# Altium PCB 56PCB -0.pcbdoc (part 2 of 2)
Units mm, origin at the board's own origin, x right, y up, seen from the top; angles counter-clockwise.
Board outline 101.98 x 99.56 mm, 2 copper layers (Top Layer, Bottom Layer); 154 components, 155 nets, 639 pads, 258 vias.
Unrouted connection lines stored in the file: 101.
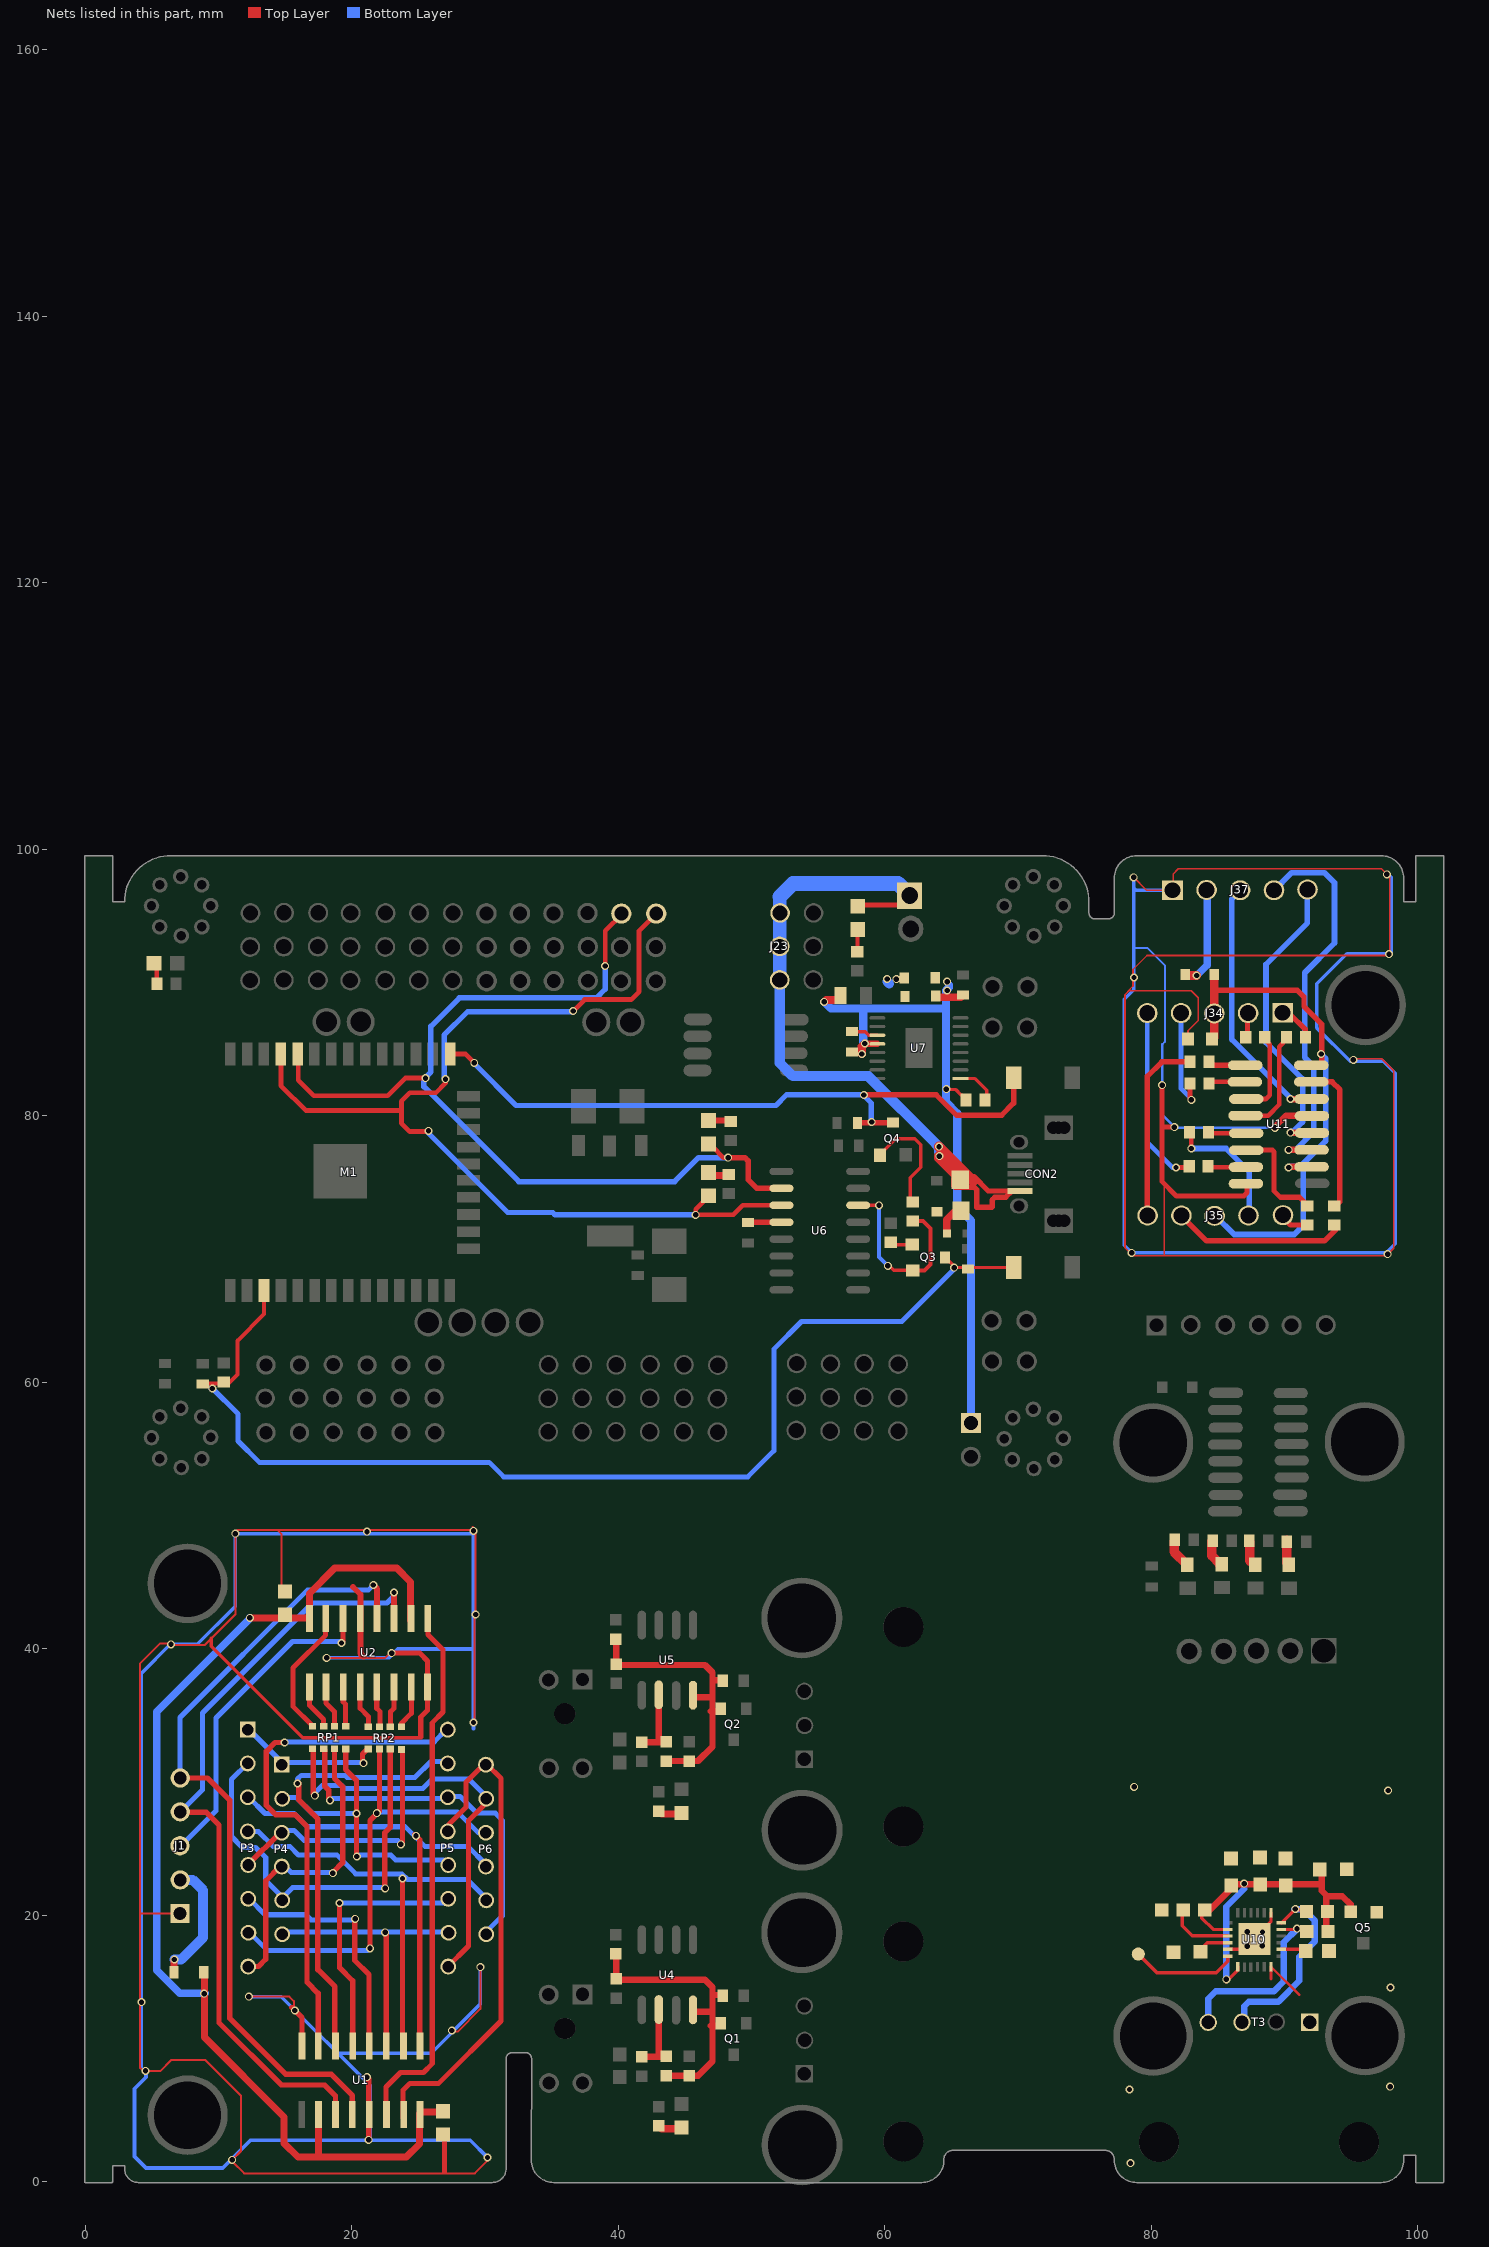
[diagram p2: the nets of this part, all layers, seen from the top]

## Via types
v1: diameter 0.6, hole 0.4, Top Layer to Bottom Layer, tented both sides, 257 vias
v2: diameter 0.8, hole 0.4, Top Layer to Bottom Layer, 1 vias

## Nets (pads, with @x,y where several pads share a name; then routed paths per layer and width w, separated by ;. In a path a pad name is that pad's centre, name@x,y a point inside that pad or via, vN(x,y) a via of type N, cw(c..) or ccw(c..) an arc to the next point about the centre after c; other vN are vias at no path point) (continued)
NewNet60: R36.9 T3.3 U10.24 | length 15.2
  Top Layer w0.252: U10.24@89.734,19.444 89.773,19.444 90.75,20.422 R36.9@91.411,20.422
  Bottom Layer w0.481: T3.3@86.803,11.977 86.96,12.133 86.96,13.179 87.296,13.516 89.531,13.516 91.106,15.09 91.106,16.891 92.249,18.034 92.249,19.609 91.411,20.447 v1@90.725,20.447
  other v1: 90.801,20.472
NewNet61: R37.9 T3.4 U10.23 | length 14
  Top Layer w0.252: U10.23@89.734,18.936 R37.9@91.424,18.936
  Bottom Layer w0.481: T3.4@84.263,11.966 84.263,13.734 84.832,14.303 89.201,14.303 89.938,15.04 89.938,17.983 90.928,18.974 v1(90.928,18.999)
NewNet62: C18.6 C20.6 C21.7 C22.7 C23.4 C24.6 Q5.1 R24.9 T3.1 U10.1 U10.11 U10.18 U10.25 | length 8.2
  Top Layer w0.176: U10.18@88.985,16.142 91.106,14.021
  Top Layer w0.252: U10.11@85.721,17.462 87.194,17.462 U10.25@88.325,17.462 ; U10.25@88.261,18.796 88.972,19.507 U10.1@88.972,20.206
  Top Layer w0.254: 88.972,15.243 U10.18@88.972,16.142
  other v1: 78.431,1.397 78.355,6.934 97.913,7.137 97.939,14.58 87.194,17.678 88.312,17.704 88.337,18.745 87.194,18.771 97.761,29.362 78.711,29.642
NewNet63: J35.5 R30.3 | length 14
  Top Layer w0.405: J35.5@79.689,72.561 79.689,82.95 80.781,84.042 R30.3@82.889,84.042
NewNet64: J35.4 R39.3 | length 13
  Top Layer w0.405: J35.4@82.305,72.409 82.33,72.409 84.134,70.605 92.973,70.605 93.837,71.469 R39.3@93.837,71.799
NewNet65: C19.2 D9.2 J34.3 J35.3 U11.10 U11.16 | length 41.5
  Top Layer w0.405: 84.718,89.401 90.966,89.401 91.449,88.919 91.449,88.208 92.795,86.861 92.795,84.017 U11.16@92.617,83.839
  Top Layer w0.481: v1@90.408,76.168 U11.10@92.02,76.168
  Top Layer w0.659: C19.2@84.718,85.845 D9.2@84.718,90.582
  Bottom Layer w0.43: J35.3@84.743,72.485 84.82,72.485 86.217,71.088 90.712,71.088 91.398,71.774 91.398,76.066 91.271,76.193 v1@90.357,76.193 ; 91.398,75.889 91.398,76.422 93.075,78.098 93.075,84.296 v1(92.744,84.626)
  other v1: 90.306,76.117
NewNet66: J35.2 R28.3 | length 9.5
  Top Layer w0.354: v1(82.991,77.54) R28.3@82.991,78.683
  Bottom Layer w0.43: v1(82.991,77.54) 85.607,77.54 87.334,75.812 J35.2@87.334,72.561
NewNet67: J35.1 R38.3 | length 2
  Top Layer w0.379: J35.1@89.9,72.333 90.433,71.799 R38.3@91.703,71.799
NewNet68: J34.5 R27.3 | length 13.6
  Top Layer w0.354: v1(81.848,76.117) R27.3@82.762,76.117
  Bottom Layer w0.354: J34.5@79.689,87.7 79.689,77.997 81.568,76.117 v1(81.848,76.117)
NewNet69: J34.4 R29.3 | length 8
  Top Layer w0.354: R29.3@82.889,82.416 82.889,81.299 v1(82.991,81.197)
  Bottom Layer w0.354: J34.4@82.229,87.7 82.229,82.035 v1@82.965,81.299
NewNet70: J34.2 R32.3 | length 1.8
  Top Layer w0.405: R32.3@87.207,85.795 J34.2@87.207,87.598
NewNet71: J34.1 R34.4 | length 2.7
  Top Layer w0.405: J34.1@89.925,87.649 90.382,87.649 91.551,86.48 R34.4@91.551,85.896
NewNet72: J37.5 U11.12 | length 22.7
  Top Layer w0.481: v1@90.458,78.708 U11.12@92.046,78.708
  Bottom Layer w0.43: v1@90.484,78.81 90.636,78.81 91.347,79.521 91.347,82.747 88.604,85.49 88.604,91.357 91.703,94.456 J37.5@91.703,97.098
  other v1: 90.433,78.733
NewNet73: J37.4 U11.11 | length 29.6
  Top Layer w0.481: v1(90.306,77.438) U11.11@92.02,77.438
  Bottom Layer w0.43: J37.4@89.138,96.793 89.138,96.844 90.535,98.241 92.973,98.241 93.735,97.479 93.735,92.957 91.5,90.722 91.5,84.372 92.186,83.686 92.186,78.81 90.814,77.438 v1(90.306,77.438)
NewNet74: J37.3 U11.14 | length 19.4
  Top Layer w0.481: v1(90.433,81.248) U11.14@92.02,81.248
  Bottom Layer w0.43: J37.3@86.775,96.996 86.039,96.259 86.039,85.718 v1@90.433,81.324
NewNet75: D9.1 J37.2 | length 7.7
  Top Layer w0.659: D9.1@82.534,90.608 82.622,90.519 v1(83.397,90.519)
  Bottom Layer w0.557: v1(83.397,90.519) 84.185,91.306 J37.2@84.185,97.021
NewNet76: C19.1 J37.1 U11.8 U11.13 | length 250.6
  Top Layer w0.125: 78.241,89.351 78.622,89.732 78.622,90.976 79.663,92.018 97.723,92.018 97.875,92.17 97.875,97.91 97.266,98.52 82.026,98.52 81.645,98.139 81.645,97.148 81.416,96.92 79.638,96.92 v1(78.673,97.885) ; 80.959,69.589 80.959,74.898 ; C19.1@82.749,85.769 82.749,86.366 83.524,87.141 83.524,88.843 82.991,89.376 78.317,89.376 78.012,89.071 78.012,70.097 78.622,69.488 97.621,69.488 98.18,70.047 98.18,83.382 97.291,84.271 v1@94.954,84.271
  Top Layer w0.379: v1@80.781,82.315 80.781,75.076 81.873,73.984 86.928,73.984 87.182,74.238 U11.8@87.182,74.898 ; 80.933,79.14 v1(81.721,79.14)
  Top Layer w0.481: v1@89.341,79.241 90.103,80.003 U11.13@92.135,80.003
  Bottom Layer w0.151: 78.673,92.602 79.689,92.602 81.01,91.281 81.01,85.541 80.806,85.337
  Bottom Layer w0.202: 80.806,85.337 80.806,80.08 81.797,79.089 v1(89.265,79.089)
  Bottom Layer w0.252: v1@78.673,97.91 78.673,89.452 77.962,88.741 77.962,70.275 v1(78.52,69.716) 97.621,69.716 98.307,70.402 98.307,83.178 97.393,84.093 94.903,84.093 92.414,86.582 92.414,89.909 94.675,92.17 98.002,92.17 98.002,97.91 v1@97.672,98.241 ; v1@78.673,98.012 78.673,97.098 78.851,96.92 J37.1@82.051,96.92
  other v1: 97.723,69.615 80.806,82.289 95.157,84.194 78.698,90.367 97.824,92.119 97.672,98.114
NewNet77: P5.3 P6.6 RP1.4 | length 26.7
  Top Layer w0.405: RP1.4@17.961,32.385 17.961,29.693 18.265,29.388 v1@18.265,28.651
  Bottom Layer w0.379: v1(18.367,28.626) 18.494,28.753 26.876,28.753 27.054,28.931 28.121,28.931 29.391,27.661 30.762,27.661 31.296,27.127 31.296,19.964 30.089,18.758 P6.6@30.089,18.58
NewNet78: P3.4 P6.5 U1.2 | length 32.3
  Top Layer w0.405: U1.2@23.803,10.185 v1(23.803,22.758)
  Bottom Layer w0.379: P3.4@12.423,26.289 12.982,26.289 14.1,25.171 15.344,25.171 16.005,24.511 18.9,24.511 20.297,23.114 23.752,23.114 24.184,22.682 28.654,22.682 30.026,21.311 P6.5@30.026,21.209
NewNet79: P3.3 P6.4 U1.1 | length 36.1
  Top Layer w0.405: v1@24.717,26.06 25.098,25.679 U1.1@25.098,10.058
  Bottom Layer w0.379: P3.3@12.195,28.854 12.271,28.854 13.49,27.635 15.675,27.635 16.665,26.645 24.006,26.645 25.479,25.171 28.705,25.171 P6.4@30.064,23.812
  other v1: 24.819,25.959
NewNet80: P3.7 P6.3 RP2.4 | length 33.9
  Top Layer w0.405: v1(21.364,17.526) 21.364,27.102 22.075,27.813 RP2.4@22.075,32.474
  Bottom Layer w0.379: P3.7@12.246,18.694 12.347,18.694 13.693,17.348 21.186,17.348 v1(21.364,17.526) ; v1(21.872,27.661) 21.948,27.737 27.943,27.737 29.48,26.2 P6.3@30.064,26.2
NewNet81: P5.8 P6.2 RP1.2 | length 31.7
  Top Layer w0.379: P5.8@27.155,16.104 28.756,17.704 28.756,27.102 30.089,28.435 P6.2@30.089,28.74
  Top Layer w0.405: RP1.2@17.097,32.385 17.097,29.108 v1(17.224,28.981)
  Bottom Layer w0.379: v1(17.224,28.981) 17.224,29.185 17.783,29.743 19.231,29.743 19.459,29.515 25.327,29.515 26.038,30.226 28.781,30.226 30.089,28.918 P6.2@30.089,28.74
NewNet82: P5.4 P6.1 U1.15 | length 37.4
  Top Layer w0.379: U1.15@23.853,4.801 23.853,6.883 24.361,7.391 26.52,7.391 31.194,12.065 31.194,30.277 P6.1@30.165,31.305 ; P5.4@27.206,26.289 27.206,26.746 28.552,28.092 28.552,29.972 P6.1@29.886,31.305
NewNet83: P4.6 P5.7 U1.3 | length 21.1
  Top Layer w0.405: v1(22.507,18.72) 22.583,18.644 U1.3@22.583,10.198
  Bottom Layer w0.379: P4.6@14.773,18.58 15.103,18.58 15.268,18.745 27.206,18.745 P5.7@27.257,18.694
NewNet84: P3.2 P4.5 RP2.6 | length 31.7
  Top Layer w0.405: v1@22.482,22.047 22.482,26.213 22.888,26.619 RP2.6@22.888,32.474
  Bottom Layer w0.379: P3.2@12.271,31.445 12.22,31.445 10.976,30.201 10.976,25.908 11.788,25.095 12.779,25.095 13.541,24.333 13.541,22.606 14.913,21.234 14.913,21.438 15.548,22.073 v1@22.558,22.073
  other v1: 22.507,22.022
NewNet85: P3.8 P4.4 RP1.6 | length 22.9
  Top Layer w0.405: P3.8@12.22,16.154 12.982,16.154 13.541,16.713 13.541,22.581 14.621,23.66 P4.4@14.748,23.66 ; v1(18.57,23.165) 18.57,23.216 19.307,23.952 19.307,29.667 18.697,30.277 RP1.6@18.697,32.499
  Bottom Layer w0.379: P4.4@14.748,23.66 15.002,23.66 15.446,23.216 v1@18.519,23.216
NewNet86: P3.5 P4.3 RP2.8 | length 19.9
  Top Layer w0.405: P3.5@12.22,23.774 12.22,23.8 P4.3@14.633,26.213 ; v1(23.676,25.324) 23.803,25.451 RP2.8@23.803,32.372
  Bottom Layer w0.379: P4.3@14.748,26.2 14.913,26.365 15.675,26.365 16.411,25.629 23.447,25.629 v1@23.676,25.4
NewNet87: P4.2 P5.5 RP1.8 | length 21.3
  Top Layer w0.405: RP1.8@19.535,32.474 19.535,30.937 20.348,30.124 v1@20.348,24.46
  Bottom Layer w0.379: P4.2@14.989,28.829 15.852,28.829 17.046,27.635 v1(20.348,27.635) ; v1(20.374,24.409) 20.475,24.511 22.939,24.511 23.295,24.155 26.876,24.155 P5.5@27.155,23.876
NewNet88: P3.1 P4.1 RP2.2 | length 10.9
  Top Layer w0.405: v1@20.805,31.394 20.805,32.106 RP2.2@21.11,32.41
  Bottom Layer w0.379: P3.1@12.144,34.061 12.169,34.061 14.76,31.471 v1@20.831,31.471
  other v1: 20.882,31.42
NewNet89: P5.6 U1.5 | length 19.6
  Top Layer w0.405: v1@19.078,21.006 19.078,16.078 20.069,15.088 U1.5@20.069,10.198
  Bottom Layer w0.379: v1(19.078,20.93) 26.978,20.93 P5.6@27.308,21.26
NewNet90: P5.2 U1.6 | length 32.9
  Top Layer w0.405: v1@15.929,29.972 16.005,29.896 16.005,28.677 17.453,27.229 17.453,15.926 18.723,14.656 U1.6@18.723,10.617
  Bottom Layer w0.379: v1(15.929,29.896) 15.929,30.226 16.208,30.505 19.485,30.505 19.637,30.353 24.742,30.353 25.936,31.547 27.105,31.547 P5.2@27.282,31.369
NewNet91: P5.1 U1.7 | length 38.8
  Top Layer w0.405: v1(14.963,32.969) 14.252,32.969 13.592,32.309 13.592,28.245 14.278,27.559 15.751,27.559 16.64,26.67 16.64,14.986 17.478,14.148 U1.7@17.478,10.198
  Bottom Layer w0.379: v1(14.963,32.969) 15.014,33.02 26.19,33.02 P5.1@27.105,33.934
NewNet92: P3.6 U1.4 | length 18.7
  Top Layer w0.405: v1@20.221,19.812 20.221,16.612 21.288,15.545 U1.4@21.288,10.287
  Bottom Layer w0.379: P3.6@12.22,21.234 12.296,21.234 13.49,20.041 16.564,20.041 16.945,19.66 v1@20.297,19.66
  other v1: 20.247,19.736
NewNet93: J1.5 U1.12 U2.12 | length 59.4
  Top Layer w0.405: J1.5@7.42,30.302 9.172,30.302 10.849,28.626 10.849,12.268 15.04,8.077 18.443,8.077 20.043,6.477 U1.12@20.043,5.042
  Top Layer w0.456: v1(21.618,44.78) 21.898,44.501 U2.12@21.898,42.278
  Bottom Layer w0.379: J1.5@7.115,30.226 7.115,34.849 16.691,44.425 21.263,44.425 v1(21.618,44.78)
NewNet94: J1.4 U1.11 U2.11 | length 58.9
  Top Layer w0.405: J1.4@7.115,27.686 7.166,27.737 9.071,27.737 10.036,26.772 10.036,11.938 14.709,7.264 17.961,7.264 18.773,6.452 U1.11@18.773,5.042
  Top Layer w0.456: U2.11@23.168,42.278 v1@23.168,44.145
  Bottom Layer w0.379: J1.4@7.14,27.762 8.791,29.413 8.791,35.179 17.046,43.434 22.634,43.434 23.168,43.967 v1@23.168,44.323
  other v1: 23.168,44.221
NewNet95: J1.3 U2.14 | length 24.4
  Top Layer w0.379: v1(19.231,40.437) 19.332,40.538 U2.14@19.332,42.278
  Bottom Layer w0.379: J1.3@7.115,25.146 9.807,27.838 9.807,34.798 15.548,40.538 v1@19.129,40.538
NewNet96: D1.1 J1.2 | length 9.3
  Top Layer w0.532: D1.1@6.658,15.735 v1@6.658,16.662
  Bottom Layer w0.735: v1(6.683,16.688) 7.191,16.688
  Bottom Layer w0.76: J1.2@7.128,22.657 8.055,22.657 8.842,21.869 8.842,18.339 7.191,16.688
NewNet97: G1.2 G2.1 J1.1 U1.8 U1.13 U2.8 U2.13 | length 334.7
  Top Layer w0.151: 4.143,20.142 J1.1@7.102,20.142 ; v1@6.353,40.284 8.969,40.284 11.255,42.57 v1(11.255,48.641) ; v1@6.404,40.411 5.616,40.411 4.118,38.913 4.118,8.56 4.372,8.306 5.616,8.306 6.454,9.144 8.994,9.144 11.687,6.452 11.687,2.311 v1(11.026,1.651) ; v1@11.026,1.524 11.915,0.635 29.238,0.635 30.178,1.575 v1(30.178,1.829) ; v1@11.179,48.666 11.407,48.895 v1@29.06,48.895 ; v1(12.271,13.894) 15.319,13.894 15.649,13.564 v1@15.649,12.903 ; 14.43,48.895 14.709,48.616 G1.2@14.709,44.247 ; v1(18.113,39.319) 22.507,39.319 v1@22.914,39.726 ; v1@27.435,11.278 27.943,11.278 29.645,12.979 v1(29.645,16.104) ; 29.06,49.149 29.289,48.92 v1(29.289,42.57) ; v1@29.213,34.569 v1@29.213,42.697
  Top Layer w0.278: 9.452,40.767 9.452,40.183 16.31,33.325 25.123,33.325 25.174,33.376
  Top Layer w0.379: v1(22.99,39.675) 25.098,39.675 25.682,39.091 25.682,35.382 25.174,34.874 25.174,33.376 ; 26.952,0.787 26.952,1.118 ; 26.952,0.94 G2.1@26.952,3.531
  Top Layer w0.405: 15.497,13.081 16.259,12.319 U1.8@16.259,9.982 ; v1(21.136,7.849) 21.263,7.722 v1(21.263,3.15)
  Top Layer w0.43: 20.094,44.628 20.653,44.069 U2.13@20.653,42.164
  Top Layer w0.481: U2.13@20.653,42.266 20.653,39.649 20.856,39.446
  Bottom Layer w0.278: v1(12.271,13.894) 14.709,13.894 21.364,7.239 v1@21.364,3.124 ; v1(18.113,39.319) 22.812,39.319 23.472,39.98 29.137,39.98 ; 18.824,9.652 25.962,9.652 29.645,13.335 v1(29.645,16.104) ; 29.137,34.011 v1(29.137,48.844) 28.933,48.641 v1(11.255,48.641) 11.255,43.18 8.41,40.335 v1(6.429,40.335) 6.378,40.335 4.194,38.151 4.194,8.56 4.549,8.204 4.549,7.849 3.686,6.985 3.686,1.905 4.549,1.041 10.315,1.041 12.398,3.124 28.883,3.124 v1(30.178,1.829)
  other v1: 4.524,8.331 27.511,11.354 15.725,12.852 4.219,13.487 29.137,34.468 21.136,48.793
NewNet100: D5.1 D6.1 FS1.4 | length 2.4
  Top Layer w0.532: D6.1@64.646,71.164 64.646,72.206 65.23,72.79 FS1.4@65.789,72.79
NewNet102: C15.2 K3.1 M1.25 Q4.3 | length 52.1
  Top Layer w0.354: M1.25@27.381,84.626 28.552,84.626 29.187,83.991 v1(29.187,83.966)
  Top Layer w0.405: C15.2@57.937,79.451 57.963,79.477 60.579,79.477 Q4.3@60.604,79.502 ; v1(58.42,81.559) 63.856,81.559 65.38,80.035 68.758,80.035 69.662,80.94 K3.1@69.662,82.835
  Bottom Layer w0.405: v1(29.187,83.966) 29.187,83.915 32.337,80.765 51.819,80.765 52.638,81.585 58.395,81.585 v1(58.42,81.559) 58.42,81.507 58.979,80.948 58.979,79.553 v1(59.004,79.527)
NewNet104: Q4.1 R23.2 | length 8.5
  Top Layer w0.254: Q4.1@59.639,77.038 59.639,77.091 60.806,78.257 62.255,78.257 62.687,77.826 62.687,76.139 61.9,75.351 61.9,73.711 R23.2@62.078,73.533
NewNet105: C2.2 C16.2 K2.1 M1.3 Q3.3 R2.1 | length 86
  Top Layer w0.252: Q3.3@64.519,69.361 65.268,68.611 K2.1@69.662,68.611
  Top Layer w0.303: C2.2@8.944,59.912 10.747,59.912 11.407,60.572 11.407,63.112 13.411,65.116 M1.3@13.411,66.897
  Bottom Layer w0.379: v1@9.452,59.531 9.553,59.531 11.458,57.626 11.458,55.594 13.058,53.994 30.305,53.994 31.397,52.902 49.711,52.902 51.666,54.857 51.666,62.477 53.749,64.56 61.268,64.56 v1@65.205,68.497
  other v1: 9.528,59.531 65.205,68.599
NewNet107: Q3.1 R22.1 | length 1.8
  Top Layer w0.252: R22.1@60.376,70.561 60.611,70.326 Q3.1@62.055,70.326
NewNet112: 
NewNet113: 
NewNet115: LED6.1 R21.2 | length 1.7
  Top Layer w0.305: R21.2@57.95,92.316 LED6.1@57.95,93.955
  Top Layer w0.608: R21.2@57.937,92.304 R21.2@57.95,92.316 ; LED6.1@57.95,93.955 LED6.1@57.963,93.967
NewNet116: LED5.1 R18.2 | length 1.8
  Top Layer w0.456: LED5.1@46.764,79.635 R18.2@48.58,79.635
NewNet117: LED4.1 R17.2 | length 1.5
  Top Layer w0.506: LED4.1@46.84,75.508 48.212,75.508 R17.2@48.288,75.584
NewNet118: LED1.1 R1.1 | length 1.5
  Top Layer w0.354: R1.1@5.362,89.986 LED1.1@5.362,91.459
NewNet119: LED10.1 R35.1 | length 1.7
  Top Layer w0.71: LED10.1@90.141,46.444 R35.1@90.141,48.133
NewNet120: LED9.1 R33.1 | length 1.9
  Top Layer w0.71: R33.1@87.372,48.031 87.372,46.609 LED9.1@87.677,46.304
NewNet121: LED8.1 R31.1 | length 2
  Top Layer w0.71: R31.1@84.527,48.057 84.527,46.99 85.112,46.406 LED8.1@85.112,46.279
NewNet122: LED7.1 R25.1 | length 2.3
  Top Layer w0.71: R25.1@81.708,48.057 81.708,47.269 82.673,46.304 LED7.1@82.673,46.177
NewNet123: C8.1 Q1.2 R3.1 R5.2 R11.1 R13.1 U4.8 | length 21.5
  Top Layer w0.481: R3.1@39.823,17.107 39.849,17.081 39.849,15.291 39.976,15.164 46.504,15.164 47.062,14.605 47.062,9.042 45.983,7.963 R11.1@43.583,7.963 ; U4.8@45.691,12.751 46.935,12.751 ; 46.935,11.709 Q1.2@47.723,11.709 ; 47.24,14.021 C8.1@47.926,14.021
NewNet124: R7.2 R11.2 U4.6 | length 5.2
  Top Layer w0.481: R7.2@41.754,9.385 R11.2@43.595,9.385 ; 43.037,9.614 U4.6@43.037,12.929
NewNet125: LED2.2 R9.1 | length 1.6
  Top Layer w0.557: R9.1@43.24,3.988 LED2.2@44.827,3.988
NewNet126: C9.1 Q2.2 R4.1 R6.2 R12.1 R14.1 U5.8 | length 21.5
  Top Layer w0.481: R4.1@39.823,40.722 39.849,40.697 39.849,38.906 39.976,38.779 46.504,38.779 47.062,38.22 47.062,32.658 45.983,31.578 R12.1@43.583,31.578 ; U5.8@45.691,36.366 46.935,36.366 ; 46.935,35.325 Q2.2@47.723,35.325 ; 47.24,37.636 C9.1@47.926,37.636
NewNet127: R8.2 R12.2 U5.6 | length 5.2
  Top Layer w0.481: R8.2@41.754,33.001 R12.2@43.595,33.001 ; 43.037,33.229 U5.6@43.037,36.544
NewNet128: LED3.2 R10.1 | length 1.6
  Top Layer w0.557: R10.1@43.24,27.603 LED3.2@44.827,27.603
NewNet129: R24.8 R26.9 U10.9 | length 4.7
  Top Layer w0.252: R26.9@82.318,20.218 82.318,19.202 83.067,18.453 U10.9@85.721,18.453
NewNet130: C20.7 C21.6 C22.6 C24.7 Q5.2 R26.8 R36.8 R37.8 U10.8 U10.13 | length 29.4
  Top Layer w0.252: R26.8@83.791,20.472 83.791,19.787 84.642,18.936 U10.8@85.721,18.936 ; v1@85.62,15.011 86.483,15.875 U10.13@86.483,16.142
  Top Layer w0.481: R26.8@83.867,20.345 84.324,20.345 86.305,22.327 92.782,22.327 ; C24.7@92.782,23.368 92.782,21.844 93.189,21.438 94.332,21.438 94.954,20.815 Q5.2@94.954,20.256 ; R37.8@93.113,18.72 93.113,21.514
  Bottom Layer w0.481: v1(85.62,15.192) 85.62,20.65 86.966,21.996 v1(86.966,22.377)
NewNet131: C23.5 U10.20 | length 1.6
  Top Layer w0.252: U10.20@89.734,17.462 C23.5@91.347,17.462
NewNet132: C18.7 U10.10 | length 2.4
  Top Layer w0.252: C18.7@83.689,17.259 83.689,17.45 84.185,17.945 U10.10@85.721,17.945
NewNet133: pad.10@79.016,17.094 U10.12 | length 8
  Top Layer w0.278: pad.10@79.016,17.094 80.413,15.697 84.858,15.697 85.721,16.561 U10.12@85.721,16.929
NewNet134: R39.4 U11.15 | length 11.2
  Top Layer w0.405: U11.15@92.109,82.543 93.557,82.543 94.141,81.959 94.141,73.552 93.938,73.349 R39.4@93.71,73.349
NewNet135: R27.4 U11.7 | length 2.7
  Top Layer w0.354: R27.4@84.413,76.143 U11.7@87.093,76.143
NewNet136: R38.4 U11.6 | length 8
  Top Layer w0.379: U11.6@87.118,77.413 89.087,77.413 89.214,77.286 89.214,74.339 89.671,73.882 91.119,73.882 R38.4@91.703,73.298
NewNet137: R28.4 U11.5 | length 2.6
  Top Layer w0.354: R28.4@84.566,78.708 84.591,78.683 U11.5@87.118,78.683
NewNet138: R34.3 U11.4 | length 8.1
  Top Layer w0.354: U11.4@87.067,80.003 88.757,80.003 89.595,80.842 89.595,85.185 R34.3@90.204,85.795
NewNet139: R32.4 U11.3 | length 6.3
  Top Layer w0.354: U11.3@87.118,81.248 88.579,81.248 88.884,81.553 88.884,85.363 88.579,85.668 R32.4@88.579,85.845
NewNet140: R29.4 U11.2 | length 2.6
  Top Layer w0.354: R29.4@84.439,82.543 U11.2@87.017,82.543
NewNet141: R30.4 U11.1 | length 2.8
  Top Layer w0.405: R30.4@84.362,84.118 84.693,83.788 U11.1@87.042,83.788